# Altium PCB Liquid Tube.PcbDoc
Units mm, origin at the board's own origin, x right, y up, seen from the top; angles counter-clockwise.
Board outline 74 x 88 mm, 2 copper layers (Top Layer, Bottom Layer); 69 components, 49 nets, 177 pads, 39 vias.
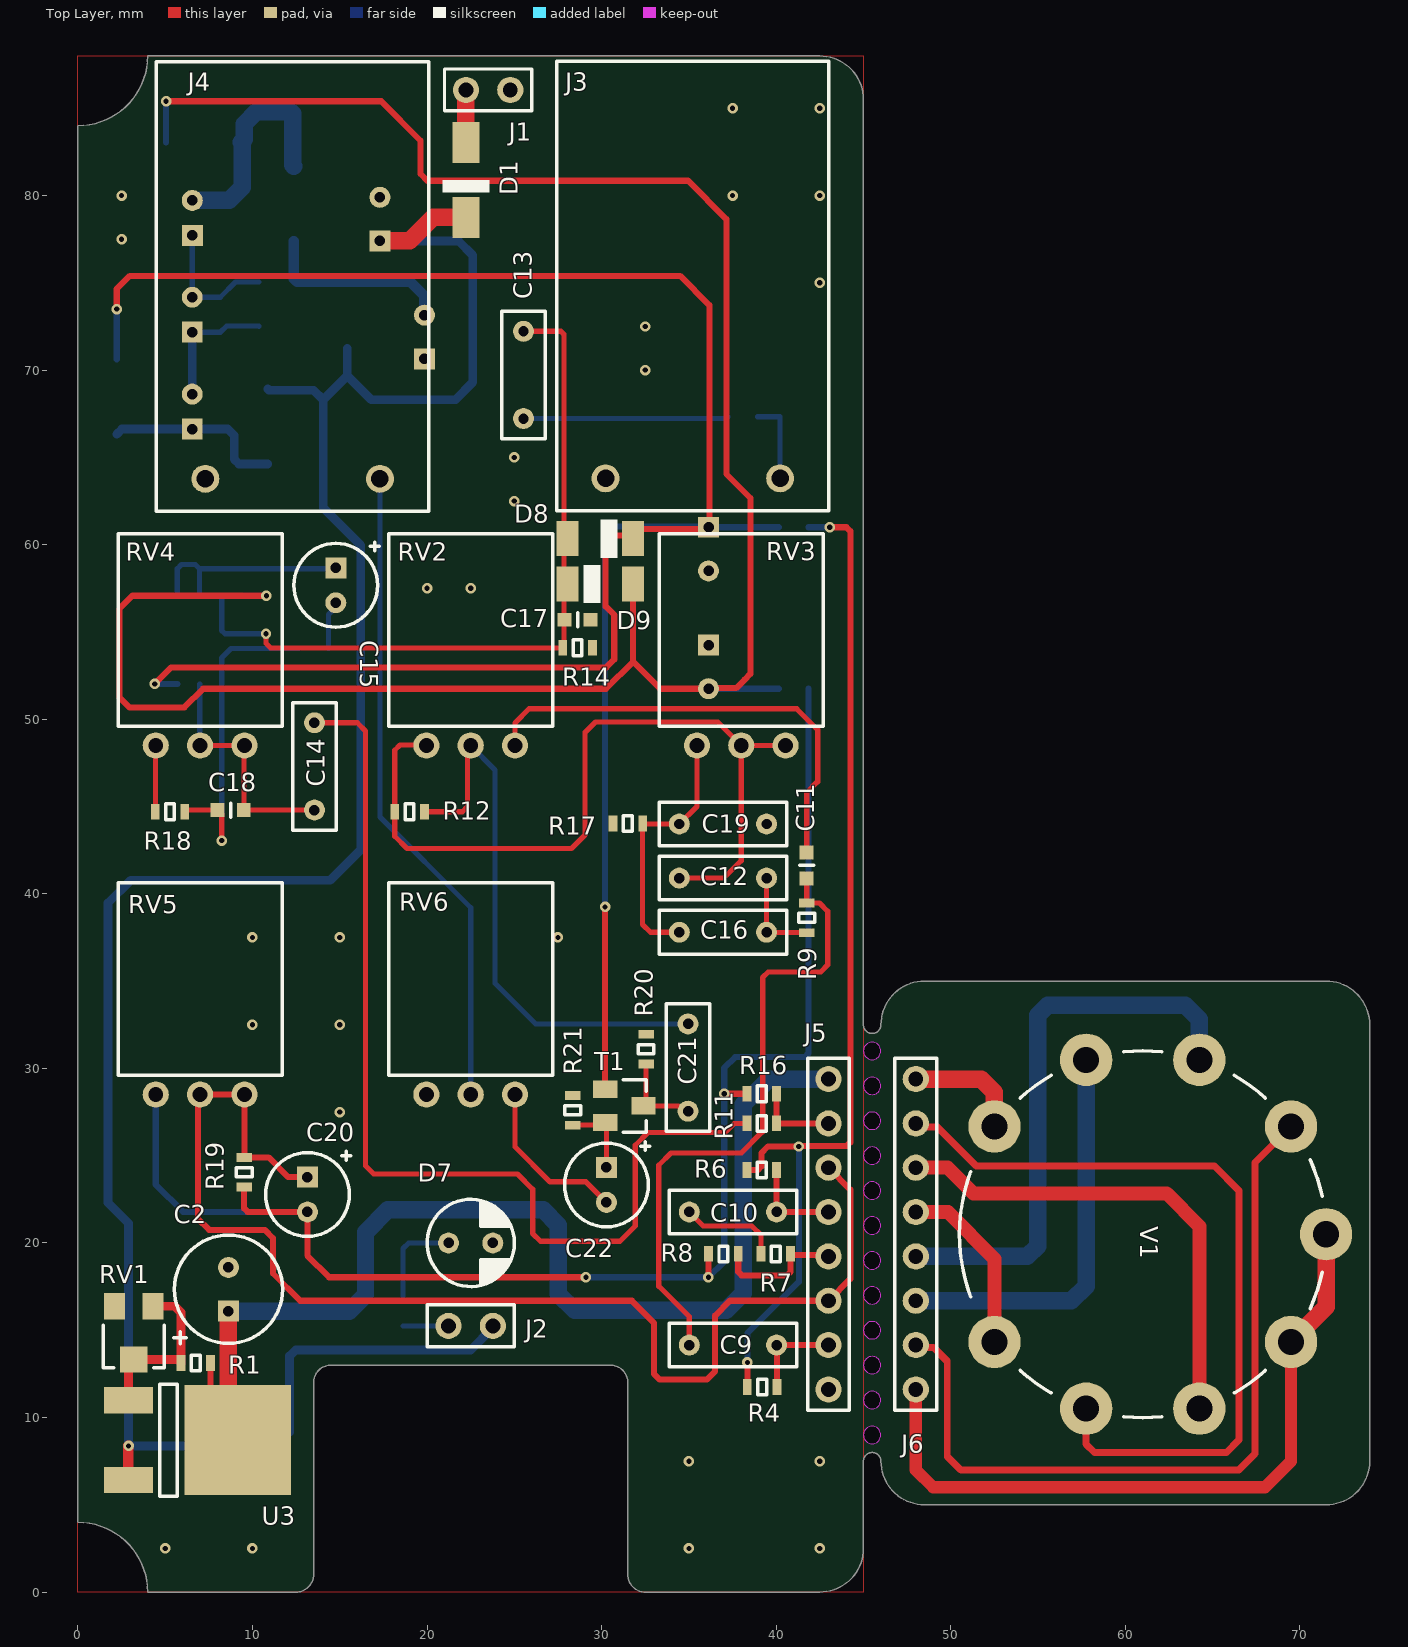
[diagram p0: Top Layer view]
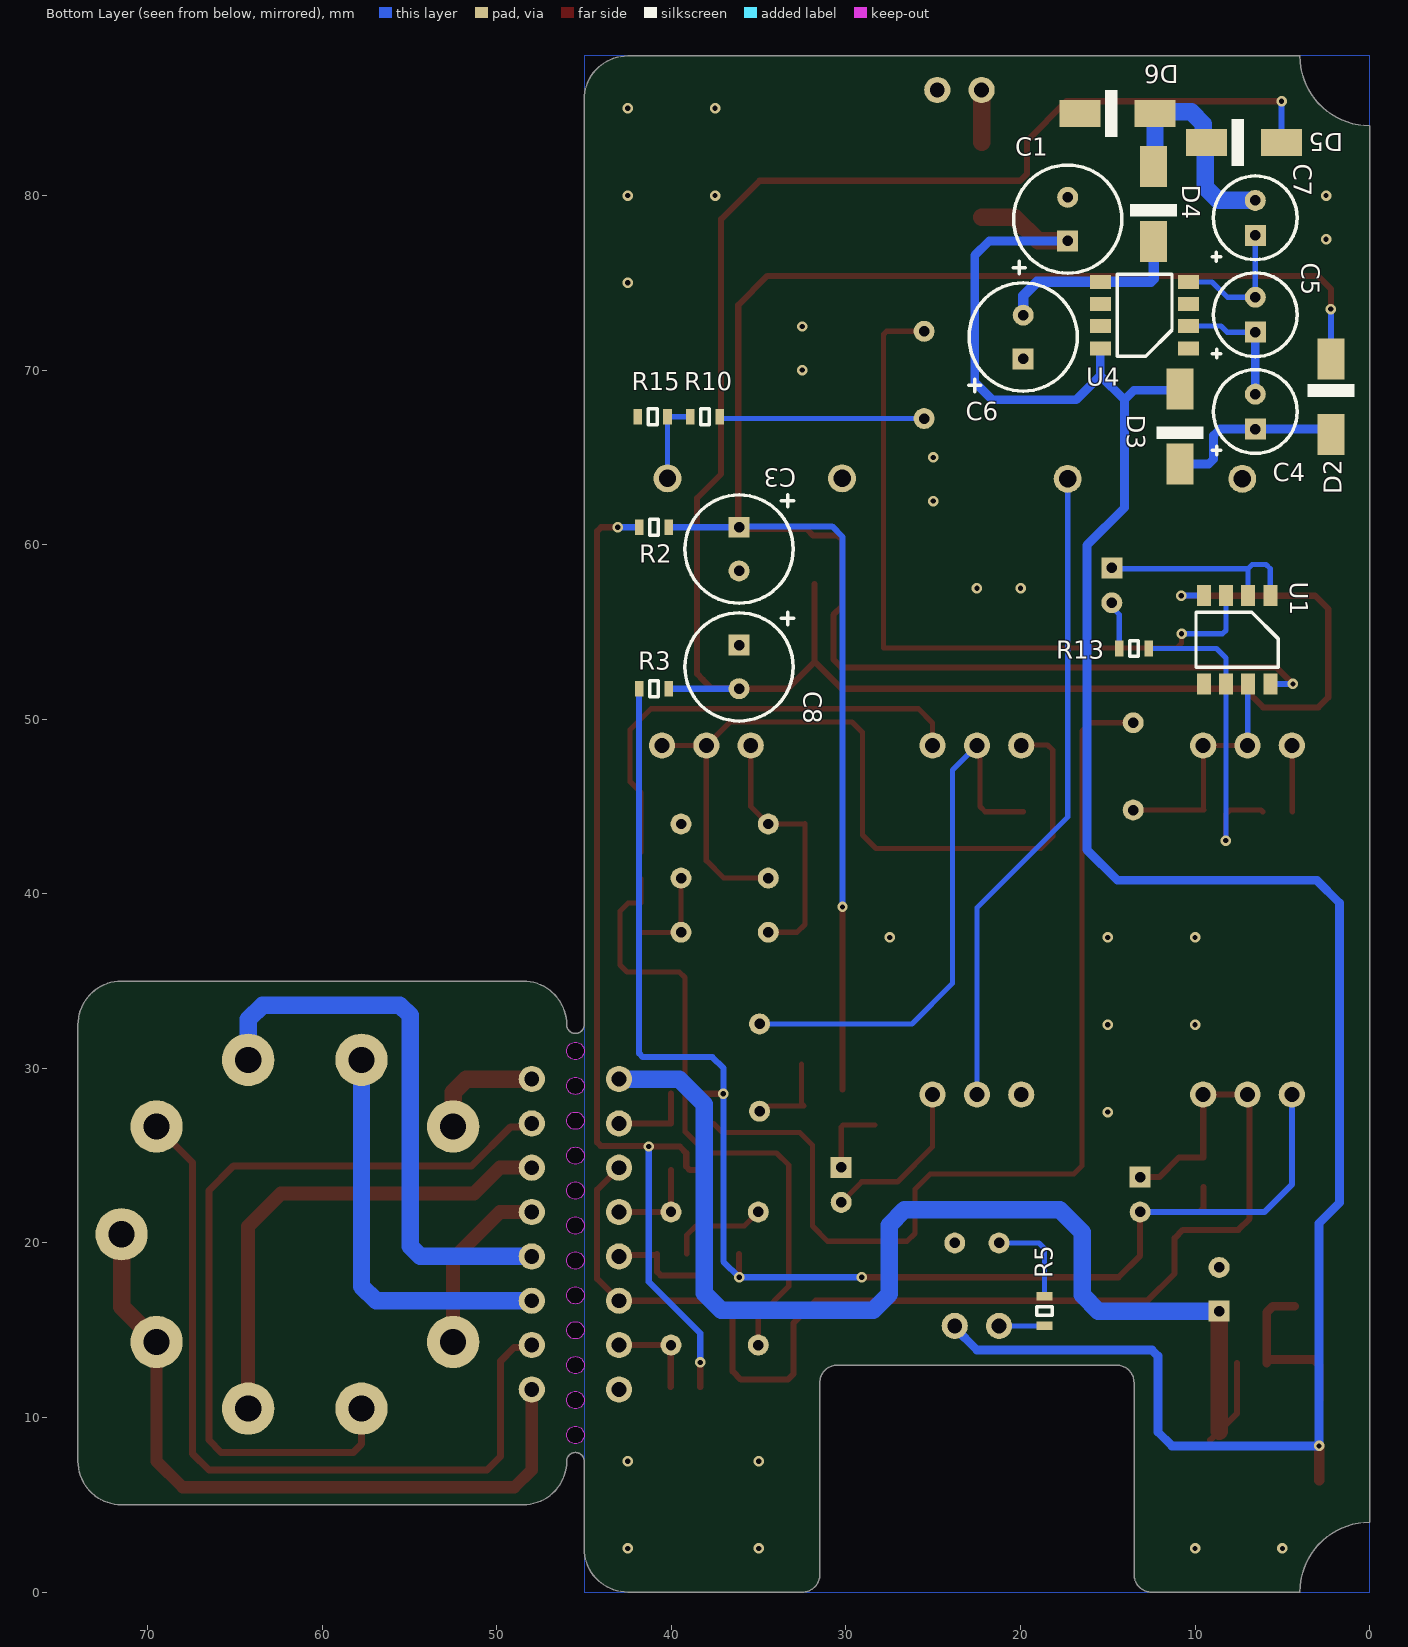
[diagram p1: Bottom Layer view, seen from below]

## Layer stack, top to bottom
Top Solder: solder mask 0.0102, Solder Resist, Dk 3.5
Top Layer: signal copper 0.0356
Dielectric 1: dielectric 0.32, FR-4, Dk 4.8
Bottom Layer: signal copper 0.0356
Bottom Solder: solder mask 0.0102, Solder Resist, Dk 3.5

## Board outline
4,0 12.5,0 ccw(c12.5,1) 13.5,1 13.5,12 cw(c14.5,12) 14.5,13 30.5,13 cw(c30.5,12) 31.5,12 31.5,1 ccw(c32.5,1) 32.5,0 42.5,0 ccw(c42.5,2.5) 45,2.5 45,7.5 cw(c45.5,7.5) 46,7.5 ccw(c48.5,7.5) 48.5,5 71.5,5 ccw(c71.5,7.5) 74,7.5 74,32.5 ccw(c71.5,32.5) 71.5,35 48.5,35 ccw(c48.5,32.5) 46,32.5 cw(c45.5,32.5) 45,32.5 45,85.5 ccw(c42.5,85.5) 42.5,88 4,88 cw(c0,88) 0,84 0,4 cw(c0,0)
cut-out: 45,9 ccw(c45.5,9) 45.5,8.5 ccw(c45.5,9) 46,9 ccw(c45.5,9) 45.5,9.5 ccw(c45.5,9)
cut-out: 45,11 ccw(c45.5,11) 45.5,10.5 ccw(c45.5,11) 46,11 ccw(c45.5,11) 45.5,11.5 ccw(c45.5,11)
cut-out: 45,17 ccw(c45.5,17) 45.5,16.5 ccw(c45.5,17) 46,17 ccw(c45.5,17) 45.5,17.5 ccw(c45.5,17)
cut-out: 45,15 ccw(c45.5,15) 45.5,14.5 ccw(c45.5,15) 46,15 ccw(c45.5,15) 45.5,15.5 ccw(c45.5,15)
cut-out: 45,13 ccw(c45.5,13) 45.5,12.5 ccw(c45.5,13) 46,13 ccw(c45.5,13) 45.5,13.5 ccw(c45.5,13)
cut-out: 45,19 ccw(c45.5,19) 45.5,18.5 ccw(c45.5,19) 46,19 ccw(c45.5,19) 45.5,19.5 ccw(c45.5,19)
cut-out: 45,21 ccw(c45.5,21) 45.5,20.5 ccw(c45.5,21) 46,21 ccw(c45.5,21) 45.5,21.5 ccw(c45.5,21)
cut-out: 45,23 ccw(c45.5,23) 45.5,22.5 ccw(c45.5,23) 46,23 ccw(c45.5,23) 45.5,23.5 ccw(c45.5,23)
cut-out: 45,25 ccw(c45.5,25) 45.5,24.5 ccw(c45.5,25) 46,25 ccw(c45.5,25) 45.5,25.5 ccw(c45.5,25)
cut-out: 45,27 ccw(c45.5,27) 45.5,26.5 ccw(c45.5,27) 46,27 ccw(c45.5,27) 45.5,27.5 ccw(c45.5,27)
cut-out: 45,29 ccw(c45.5,29) 45.5,28.5 ccw(c45.5,29) 46,29 ccw(c45.5,29) 45.5,29.5 ccw(c45.5,29)
cut-out: 45,31 ccw(c45.5,31) 45.5,30.5 ccw(c45.5,31) 46,31 ccw(c45.5,31) 45.5,31.5 ccw(c45.5,31)

## Design rules (kind name [scope] priority, off if disabled: settings)
BoardOutlineClearance [All] p1: gap=0.15 ignorepadtopadclearanceinfootprint=FALSE
Clearance [All] p1: gap=0.2 ignorepadtopadclearanceinfootprint=FALSE except(0.127: Arc-Arc Arc-Track Arc-Text Arc-Hole Track-Track Track-Text Track-Hole SMDPad-SMDPad SMDPad-THPad SMDPad-Via SMDPad-Text SMDPad-Hole THPad-Via THPad-Text THPad-Hole Via-Text Via-Hole Fill-Text Fill-Hole Poly-Text Poly-Hole Region-Text Region-Hole Text-Text Text-Hole; 0.254: Arc-Via Track-Via Via-Via; 0.33: Arc-THPad Track-THPad; 0.5: THPad-THPad)
Height [All] p1: minheight=0 maxheight=100 prefheight=30
HoleSize [All] p1: absolutevalues=TRUE maxlimit=6.3 minlimit=0.3 maxpercent=80.000 minpercent=20.000
HoleToHoleClearance [All] p1: gap=0.5 allowstackedmicrovias=TRUE
MinimumSolderMaskSliver [All] p1: minsoldermaskwidth=0.1
PolygonConnect [All] p1: connectstyle=Relief reliefconductorwidth=0.254 reliefentries=4 polygonreliefangle="90 Angle" airgapwidth=0.254
RoutingVias [All] p1: holewidth=0.3 width=0.6 viastyle="Through Hole" minholewidth=0.3 minwidth=0.6 maxholewidth=0.3 maxwidth=0.6
SilkToSilkClearance [All] p1: silktosilkclearance=0.1
SilkToSolderMaskClearance [IsPad] p1: minsilkscreentomaskgap=0.1 clearancetoexposedcopper=TRUE
SolderMaskExpansion [All] p1: expansion=0.102 istentingtop=FALSE
Width POWER [InNet('+V') or InNet('++V') or InNet('-V')   or InNet('--V') or InNet('GND') or InNet('HEAT') or InNet('HEAT_V')   or InNet('GRIDA')or InNet('GRIDA_V')or InNet('GRIDB')or InNet('GRIDB_V')or InNet('CATHODEA')or InNet('CATHODEA_V')or InNet('CATHODEB')or InNet('CATHODEB_V')or InNet('ANODEA')or InNet('ANODEA_V')or InNet('ANODEB')or InNet('ANODEB_V') or  InNet('GND_V')] p1: maxlimit=1 minlimit=0.35 preferedwidth=0.35
Width [All] p2: maxlimit=1 minlimit=0.127 preferedwidth=0.3
24 further rules are at their usual default settings.

## Components (designator, comment, footprint, x,y, rotation, side; value= is the part's Value field where it differs from the comment)
C1 "100u 25V" "CAPACITOR THT 6.3X11MM" 17.3,78.65 r90 bottom
C2 "220u 25V" "CAPACITOR THT 6.3X11MM" 8.625,17.35 r90 top
C3 "100u 25V" "CAPACITOR THT 6.3X11MM" 36.125,59.75 r270 bottom
C4 "10u 25V" "CAPACITOR THT 5X11MM" 6.55,67.625 r90 bottom
C5 "10u 25V" "CAPACITOR THT 5X11MM" 6.55,73.175 r90 bottom
C6 "100u 25V" "CAPACITOR THT 6.3X11MM" 19.85,71.9 r90 bottom
C7 "10u 25V" "CAPACITOR THT 5X11MM" 6.554,78.723 r90 bottom
C8 "100u 25V" "CAPACITOR THT 6.3X11MM" 36.125,53 r270 bottom
C9 "100n" "CAPACITOR 7.2X2.5MM LS=5MM MKT" 37.525,14.15 r180 top
C10 "47n" "CAPACITOR 7.2X2.5MM LS=5MM MKT" 37.525,21.775 r180 top
C11 "330p" "Capacitor 0603" 41.75,41.625 r90 top
C12 "100n" "CAPACITOR 7.2X2.5MM LS=5MM MKT" 36.95,40.9 r180 top
C13 "33n" "CAPACITOR 7.2X2.5MM LS=5MM MKT" 25.525,69.725 r90 top
C14 "10n" "CAPACITOR 7.2X2.5MM LS=5MM MKT" 13.55,47.3 r90 top
C15 "1u 25V" "CAPACITOR THT 5X11MM" 14.775,57.675 r270 top
C16 "47n" "CAPACITOR 7.2X2.5MM LS=5MM MKT" 36.95,37.8 r0 top
C17 "47p" "Capacitor 0603" 28.625,55.7 r180 top
C18 "120p" "Capacitor 0603" 8.75,44.8 r0 top
C19 "47n" "CAPACITOR 7.2X2.5MM LS=5MM MKT" 36.95,44 r180 top
C20 "22u 50V" "CAPACITOR THT 5X11MM" 13.15,22.775 r270 top
C21 "100n" "CAPACITOR 7.2X2.5MM LS=5MM MKT" 34.95,30.05 r270 top
C22 "1u 25V" "CAPACITOR THT 5X11MM" 30.275,23.325 r270 top
D1 "S1M-13-F" DO-214 22.225,80.9 r90 top
D2 "S1M-13-F" DO-214 2.225,68.475 r270 bottom
D3 "S1M-13-F" DO-214 10.875,66.775 r90 bottom
D4 "S1M-13-F" DO-214 12.375,79.525 r90 bottom
D5 "S1M-13-F" DO-214 7.2,83.05 r180 bottom
D6 "S1M-13-F" DO-214 14.45,84.7 r180 bottom
D7 "Diode LED 5mm" "LED 5MM THT" 22.5,20 r0 top locked
D8 "1N4148" SOD80 29.925,60.35 r0 top
D9 "1N4148" SOD80 29.925,57.75 r180 top
J1 "Mechanical Goldpin 1x2 THT 2.54mm" "GOLDPIN 1X2" 23.5,86.05 r0 top
J2 "Mechanical Goldpin 1x2 THT 2.54mm" "GOLDPIN 1X2" 22.5,15.25 r0 top locked
J3 "ACJM-MVS" "MECHANICAL JACK MONO ACJM-MVS" 35.225,87.8 r270 top locked
J4 "ACJM-MVS" "MECHANICAL JACK MONO ACJM-MVS" 12.3,87.775 r270 top locked
J5 "Mechanical Goldpin 1x8 THT 2.54mm" "GOLDPIN 1X8" 43,20.5 r270 top
J6 "Mechanical Goldpin 1x8 THT 2.54mm" "GOLDPIN 1X8" 48,20.5 r270 top
R1 "2.2k" "Resistor 0603" 6.75,13.125 r0 top
R2 "470R" "Resistor 0603" 41,61 r180 bottom
R3 "1k" "Resistor 0603" 41,51.75 r0 bottom
R4 "47k" "Resistor 0603" 39.2,11.75 r180 top
R5 "1k" "Resistor 0603" 18.625,16.1 r90 bottom
R6 "47k" "Resistor 0603" 39.175,24.175 r180 top
R7 "10k" "Resistor 0603" 39.975,19.375 r180 top
R8 "22k" "Resistor 0603" 36.975,19.375 r0 top
R9 "22k" "Resistor 0603" 41.75,38.625 r90 top
R10 "10k" "Resistor 0603" 38.075,67.325 r180 bottom
R11 "10k" "Resistor 0603" 39.175,26.85 r180 top
R12 "220k" "Resistor 0603" 19,44.7 r0 top
R13 "100k" "Resistor 0603" 13.5,54.05 r180 bottom
R14 "1M" "Resistor 0603" 28.625,54.1 r180 top
R15 "1M" "Resistor 0603" 41.075,67.325 r180 bottom
R16 "10k" "Resistor 0603" 39.175,28.55 r180 top
R17 "2.2k" "Resistor 0603" 31.5,44.025 r0 top
R18 "10k" "Resistor 0603" 5.275,44.7 r0 top
R19 "47k" "Resistor 0603" 9.525,24.05 r90 top
R20 "1M" "Resistor 0603" 32.55,31.1 r270 top
R21 "10k" "Resistor 0603" 28.35,27.6 r270 top
RV1 "1k" "POTENTIOMETER 1.2X3.8MM" 3.2,14.85 r180 top
RV2 "500k" "POTENTIOMETER 9X11MM ALPS-RK097 THT" 22.5,55 r90 top locked
RV3 "100k" "POTENTIOMETER 9X11MM ALPS-RK097 THT" 38,55 r90 top locked
RV4 "500k" "POTENTIOMETER 9X11MM ALPS-RK097 THT" 7,55 r90 top locked
RV5 "10k" "POTENTIOMETER 9X11MM ALPS-RK097 THT" 7,35 r90 top locked
RV6 "100k" "POTENTIOMETER 9X11MM ALPS-RK097 THT" 22.5,35 r90 top locked
T1 "MMBF4393" SOT23-3 31.3,27.85 r270 top
U1 "LM833" SO8 7.6,54.55 r0 bottom locked
U3 "LM1117" TO252 5.425,8.7 r270 top
U4 "LT1054CS8" SO8 12.9,73.15 r90 bottom
V1 "12AX7" "TUbe 9pin NOVAL" 61,20.5 r270 top

## Footprints (in the part's own frame and the unit in brackets; to place one, negate y for a bottom-side part, rotate by r counter-clockwise, add the part's x,y. Pads: shape width x height; smd on the part's side, far side on the other; paste and mask are expansions set on the pad)
"CAPACITOR 7.2X2.5MM LS=5MM MKT" [mm]
  round 1.2 hole 0.6: 1(-2.5,0) 2(2.5,0)
  silkscreen extent -3.65,-1.25 3.65,1.25, body extent -3.7,-1.3 3.7,1.31, height 6.6
"Capacitor 0603" [mm]
  rect 0.8x0.8 smd: 1(-0.75,0) 2(0.75,0)
  silkscreen extent 0,-0.4 0,0.4, body extent -0.8,-0.4 0.8,0.4, height 0.75
"CAPACITOR THT 5X11MM" [mm]
  rect 1.2x1.2 hole 0.6: 1(-1,0)
  round 1.2 hole 0.6: 2(1,0)
  silkscreen extent -2.47,-2.4 2.4,2.47, body extent -2.53,-2.53 2.53,2.53, height 14.53
"CAPACITOR THT 6.3X11MM" [mm]
  rect 1.2x1.2 hole 0.6: 1(-1.25,0)
  round 1.2 hole 0.6: 2(1.25,0)
  silkscreen extent -3.13,-3.1 3.1,3.13, body extent -3.18,-3.18 3.18,3.18, height 14.53
DO-214 [mm]
  rect 2.35x1.55 smd: 1(2.15,0) 2(-2.15,0)
  silkscreen extent -0.73,-1.35 0,1.35, body extent -2.6,-1.3 2.6,1.3, height 2.4
"GOLDPIN 1X2" [mm]
  round 1.5 hole 0.85: 1(-1.27,0) 2(1.27,0)
  silkscreen extent -2.5,-1.2 2.5,1.2, body extent -2.54,-1.27 2.54,1.27, height 5.94
"GOLDPIN 1X8" [mm]
  round 1.5 hole 0.85: 1(-8.89,0) 2(-6.35,0) 3(-3.81,0) 4(-1.27,0) 5(1.27,0) 6(3.81,0) 7(6.35,0) 8(8.89,0)
  silkscreen extent -10.07,-1.2 10.07,1.2, body extent -10.16,-1.27 10.16,1.27, height 5.94
"LED 5MM THT" [mm]
  round 1.2 hole 0.6: 1(-1.27,0) 2(1.27,0)
  silkscreen extent -2.5,-2.5 2.5,2.5, body extent -2.9,-2.9 2.9,2.9, height 28.5
"MECHANICAL JACK MONO ACJM-MVS" [mm]
  round 1.6 hole 1: 1(24,5) 2(24,-5)
  silkscreen extent 0.1,-7.8 25.85,7.8, body extent -21.15,-7.9 25.95,7.9, height 16.8
"POTENTIOMETER 1.2X3.8MM" [mm]
  rect 1.2x1.5 smd: 1(-1.1,-1.525) 3(1.1,-1.525)
  rect 1.6x1.5 smd: 2(0,1.525)
  silkscreen extent -1.75,-0.43 1.75,2, body extent -1.8,-1.91 1.8,2.05, height 1.13
"POTENTIOMETER 9X11MM ALPS-RK097 THT" [mm]
  round 1.5 hole 0.85: 1(-6.5,-2.54) 2(-6.5,0) 3(-6.5,2.54)
  silkscreen extent -5.4,-4.7 5.63,4.7, body extent -9.21,-4.74 5.67,4.76, height 46.92
"Resistor 0603" [mm]
  rect 0.5x0.9 smd: 1(-0.85,0) 2(0.85,0)
  silkscreen extent -0.25,-0.45 0.25,0.45, body extent -0.8,-0.4 0.8,0.4, height 0.43
SO8 [mm]
  rect 0.8x1.2 smd: 1(-1.905,-2.53) 2(-0.635,-2.53) 3(0.635,-2.53) 4(1.905,-2.53) 5(1.905,2.53) 6(0.635,2.53) 7(-0.635,2.53) 8(-1.905,2.53)
  silkscreen extent -2.35,-1.58 2.35,1.58, body extent -2.45,-2.89 2.45,2.89, height 1.45
SOD80 [mm]
  rect 1.25x2 smd: 1(-1.875,0) 2(1.875,0)
  silkscreen extent 0,-1.1 0.98,1.1, body extent -1.82,-0.8 1.88,0.8, height 1.58
SOT23-3 [mm]
  rect 1x1.4 smd: 1(-0.95,-1.1) 2(0.95,-1.1) 3(0,1.1)
  silkscreen extent -1.5,-0.05 1.5,1.25, body extent -1.5,-1.25 1.5,1.25, height 1.09
TO252 [mm]
  rect 1.5x2.8 smd: 1(-2.286,-2.53) 3(2.286,-2.53)
  rect 6.3x6.1 smd: 2(0,3.72)
  silkscreen extent -3.2,-0.72 3.2,0.28, body extent -3.27,-3.41 3.27,6.53, height 2.24
"TUbe 9pin NOVAL" [mm]
  round 3 hole 1.5: 1(6.172,-8.495) 2(9.986,-3.245) 3(9.986,3.245) 4(6.172,8.495) 5(0,10.5) 6(-6.172,8.495) 7(-9.986,3.245) 8(-9.986,-3.245) 9(-6.172,-8.495)
  silkscreen extent -10.5,-10.5 10.5,10.27, body extent -11,-11 11,11, height 62.4

## Part data
C1 C3 C6 C8: library part "Capacitor ALU THT 100u 25V"
C2: library part "Capacitor ALU THT 220u 25V"
C4 C5 C7: library part "Capacitor ALU THT 10u 25V"
C9 C12 C21: library part "Capacitor MKT 100n 100V"
C10 C16 C19: library part "Capacitor MKT 47n 100V"
C11: library part "Capacitor 0603 330p"
C13: library part "Capacitor MKT 33n 100V"
C14: library part "Capacitor MKT 10n 100V"
C15 C22: library part "Capacitor ALU THT 1u 25V"
C17: library part "Capacitor 0603 47p"
C18: library part "Capacitor 0603 120p"
C20: library part "Capacitor ALU THT 22u 50V"
D1 D2 D3 D4 D5 D6: library part "Diode 1KV 1A S1M-13-F"
D8 D9: library part "Diode SMD 1N4148 SOD80"
J3 J4: library part "Mechanical JACK Panel Mono Female Amphenol ACJM-MVS"
R1 R17: library part "Resistor 0603 2.2k"
R2: library part "Resistor 0603 470R"
R3 R5: library part "Resistor 0603 1k"
R4 R6 R19: library part "Resistor 0603 47k"
R7 R10 R11 R16 R18 R21: library part "Resistor 0603 10k"
R8 R9: library part "Resistor 0603 22k"
R12: library part "Resistor 0603 220k"
R13: library part "Resistor 0603 100k"
R14 R15 R20: library part "Resistor 0603 1Meg"
RV1: library part "Potentiometer SMD 1.2x3.8mm 1k"
RV2 RV4: library part "Potentiometer 9x11mm Panel 500k MONO LIN ALPS-RK097"
RV3 RV6: library part "Potentiometer 9x11mm Panel 100k MONO LIN ALPS-RK097"
RV5: library part "Potentiometer 9x11mm Panel 10k MONO LIN ALPS-RK097"
T1: library part "Transistor N-JFET SMD SOT23 MMBF4393"
U1: library part "IC OP-AMP LM833 SO8", ComponentLink1Description=Datasheet, ComponentLink1URL=https://pl.mouser.com/datasheet/2/389/cd00000474-1795554.pdf
U3: library part "IC LM1117 LDO TO252 ADJ"
U4: library part "IC 100mA Sw Cap SO8 LT1054CS8"
V1: library part "Tube 12AX7 / ECC83 9pin NOVAL"

## Via types
v1: diameter 0.6, hole 0.3, Top Layer to Bottom Layer, tented both sides, 25 vias
v2: diameter 0.6, hole 0.3, Top Layer to Bottom Layer, 14 vias

## Nets (pads, with @x,y where several pads share a name; then routed paths per layer and width w, separated by ;. In a path a pad name is that pad's centre, name@x,y a point inside that pad or via, vN(x,y) a via of type N, cw(c..) or ccw(c..) an arc to the next point about the centre after c; other vN are vias at no path point)
++V: R2.1 R4.2 R6.2 | length 59.5
  Top Layer w0.35: R6.2 38.945,24.175 39.15,24.38 39.15,25.15 39.525,25.525 v2(41.3,25.525) 41.34,25.565 44.05,25.565 44.255,25.77 44.255,60.77 44.025,61 v2(43.075,61) ; R4.2 v2@38.35,13.159
  Bottom Layer w0.35: v2(38.351,13.159) 38.351,14.826 41.3,17.775 v2(41.3,25.525) ; R2.1 v2(43.075,61)
+V: C3.1 D2.2 D8.2 R2.2 T1.1 U1.8 | length 134.9
  Top Layer w0.35: v2(2.225,73.5) 2.225,74.65 2.975,75.4 34.5,75.4 36.175,73.725 36.175,61.05 C3.1 ; v2(4.4,52.025) 5.35,52.975 30.275,52.975 30.725,53.425 30.725,55.975 30.225,56.475 30.225,60.275 30.475,60.525 31.875,60.525 32.25,60.9 C3.1@36.025,60.9 ; T1.1 v2(30.2,39.25)
  Bottom Layer w0.35: D2.2 v2(2.225,73.5) ; v2(4.4,52.025) 4.405,52.02 U1.8 ; v2(30.2,39.25) 30.2,60.45 30.8,61.05 36.075,61.05 C3.1 R2.2
--V: C20.2 R3.2 R8.1 R16.2 R19.1 RV5.3 | length 86.5
  Top Layer w0.35: R19.1 9.525,21.98 9.73,21.775 C20.2 13.15,19.275 14.39,18.035 v2(29.1,18.035) ; v2(36.121,18.03) 36.125,18.034 R8.1 ; v2(37.025,28.55) R16.2
  Bottom Layer w0.35: RV5.3 4.46,23.34 6.025,21.775 C20.2 ; v2(29.1,18.035) 36.117,18.035 v2(36.121,18.03) 37.025,18.934 v2(37.025,28.55) 37.025,30.025 37.65,30.65 41.645,30.65 41.85,30.855 R3.2
-V: C8.2 D5.1 D9.1 R3.1 U1.4 | length 127
  Top Layer w0.35: v2(5.05,85.4) 17.375,85.4 19.625,83.15 19.625,81.25 20.025,80.85 34.95,80.85 37.15,78.65 37.15,64.05 38.525,62.675 38.525,52.6 38.2,52.275 37.708,51.783 36.158,51.783 C8.2 33.35,51.75 31.8,53.3 ; v2(10.8,57.075) 3.125,57.075 2.375,56.325 2.375,51.25 2.95,50.675 6.1,50.675 7.175,51.75 30.25,51.75 31.8,53.3 ; D9.1 31.8,53.3
  Bottom Layer w0.35: D5.1 v2(5.05,85.4) ; U1.4 10.795,57.08 v2(10.8,57.075) ; C8.2 R3.1
ANODEA: C10.1 J5.4 R6.1 | length 5.4
  Top Layer w0.35: R6.1 C10.1 40.027,21.773 42.997,21.773 J5.4
ANODEA_V: J6.4 V1.1 | length 10.4
  Top Layer w0.8: J6.4 49.83,21.77 52.505,19.095 V1.1
ANODEB: C9.1 J5.7 R4.1 | length 5.4
  Top Layer w0.35: R4.1 40.037,11.763 40.037,14.138 C9.1 J5.7
ANODEB_V: J6.7 V1.6 | length 45.6
  Top Layer w0.4: J6.7 48.15,14 49.025,14 49.8,13.225 49.8,7.775 50.575,7 66.5,7 67.425,7.925 67.425,24.602 V1.6
CATHODEA: C20.1 J5.3 J5.6 R19.2 RV5.1 RV5.2 | length 72.6
  Top Layer w0.35: C20.1 12.05,23.775 10.925,24.9 R19.2 9.533,24.908 9.533,28.493 9.525,28.5 RV5.2 6.875,28.375 6.875,21.4 7.525,20.75 10.7,20.75 11.175,20.275 11.175,18.25 12.735,16.69 31.735,16.69 33,15.425 33,12.5 33.325,12.175 36.025,12.175 36.5,12.65 36.5,15.84 37.35,16.69 J5.6 44.255,17.945 44.255,23.055 J5.3
CATHODEA_V: J6.3 V1.3 | length 28.1
  Top Layer w0.8: J6.3 49.815,24.31 51.3,22.825 62.375,22.825 64.245,20.955 V1.3
CATHODEB_V: J6.6 V1.8 | length 23.1
  Bottom Layer w1: J6.6 56.915,16.69 57.755,17.53 V1.8
GND: C1.2 C2.2 C3.2 C6.1 C8.1 C17.1 C19.1 D6.2 D7.2 J1.2 J3.2 J4.2 J5.8 R14.1 R15.1 R17.1 R20.1 R21.1 RV1.3 RV6.3 U1.5 U4.3
  other v1: 5,2.5 10,2.5 35,2.5 42.5,2.5 35,7.5 42.5,7.5 15,27.5 10,32.5 15,32.5 10,37.5 15,37.5 27.5,37.5 20,57.5 22.5,57.5 25,62.5 25,65 32.5,70 32.5,72.5 42.5,75 2.5,77.5 2.5,80 37.5,80 42.5,80 37.5,85 42.5,85
GND_V: J6.8 V1.4 V1.5 | length 41
  Top Layer w0.7: J6.8 48,7 49,6 68,6 69.495,7.495 V1.4
  Top Layer w1: V1.4 71.5,16.334 V1.5
GRIDA: J5.2 R11.1 R16.1 | length 4.7
  Top Layer w0.35: R16.1 R11.1 J5.2
GRIDA_V: J6.2 V1.2 | length 45.7
  Top Layer w0.4: J6.2 48.22,26.63 49.231,26.63 51.461,24.4 65.1,24.4 66.5,23 66.5,8.705 65.795,8 58.225,8 57.755,8.47 V1.2
GRIDB: J5.5 R7.1 R8.2 | length 7.5
  Top Layer w0.35: R8.2 37.825,18.352 38.03,18.147 40.62,18.147 40.825,18.352 R7.1 40.898,19.303 42.927,19.303 J5.5
GRIDB_V: J6.5 V1.7 | length 32.6
  Bottom Layer w1: J6.5 54.389,19.23 54.975,19.816 54.975,33.039 55.561,33.625 63.425,33.625 64.245,32.805 V1.7
HEAT: C2.1 J5.1 R1.2 U3.2 | length 67.4
  Top Layer w0.35: R1.2 7.6,10.245 8.625,9.22 U3.2
  Top Layer w1: U3.2@8.625,9.22 C2.1
  Bottom Layer w1: C2.1 15.55,16.1 16.475,17.025 16.475,20.625 17.75,21.9 26.65,21.9 27.525,21.025 27.525,17.075 28.45,16.15 37.15,16.15 38.125,17.125 38.125,27.95 39.565,29.39 J5.1
HEAT_V: J6.1 V1.9 | length 6.8
  Top Layer w1: J6.1 51.76,29.39 52.505,28.645 V1.9
NetC4_1: C4.1 D2.1 D3.2 | length 10.4
  Bottom Layer w0.5: D2.1 2.525,66.625 8.575,66.625 8.95,66.25 8.95,64.9 9.225,64.625 D3.2
NetC4_2: C4.2 C5.1 U4.2 | length 7.5
  Bottom Layer w0.3: C5.1 8.175,72.175 8.525,72.525 10.36,72.525 U4.2
  Bottom Layer w0.5: C4.2 C5.1
NetC5_2: C5.2 C7.1 U4.4 | length 7.7
  Bottom Layer w0.3: C7.1 6.55,77.72 C5.2 8.15,74.175 9.03,75.055 U4.4
NetC6_2: C6.2 D4.2 U4.5 | length 11.1
  Bottom Layer w0.6: D4.2 12.375,75.231 12.551,75.055 U4.5 19.045,75.055 19.85,74.25 C6.2
NetC7_2: C7.2 D4.1 D5.2 D6.1 | length 13.1
  Bottom Layer w1: C7.2 8.673,79.723 9.425,80.475 9.425,82.975 D5.2 9.524,83.224 9.524,84.099 10.225,84.8 12.2,84.8 D6.1 12.3,81.75 D4.1
NetC9_2: C9.2 C11.1 R9.2 | length 36.5
  Top Layer w0.3: C9.2 35.025,15.775 33.275,17.525 33.275,24.45 33.975,25.15 38,25.15 39.225,26.375 39.225,35.2 39.55,35.525 42.55,35.525 42.95,35.925 42.95,39 42.475,39.475 R9.2 C11.1
NetC10_2: C10.2 R7.2 | length 5.7
  Top Layer w0.3: C10.2 35.825,20.975 38.6,20.975 39.125,20.45 R7.2
NetC11_2: C11.2 RV2.1 | length 26.7
  Top Layer w0.3: RV2.1 25.04,49.79 25.85,50.6 41.174,50.6 42.375,49.399 42.375,46.425 41.75,45.8 C11.2
NetC12_1: C12.1 C16.2 R9.1 | length 5.4
  Top Layer w0.3: C12.1 C16.2 39.462,37.788 41.737,37.788 R9.1
NetC12_2: C12.2 R12.1 RV2.3 RV3.1 RV3.2 | length 47.1
  Top Layer w0.3: RV2.3 19.935,48.525 18.45,48.525 18.15,48.225 R12.1 18.15,43.3 18.85,42.6 28.275,42.6 29.05,43.375 29.05,49.25 29.65,49.85 36.65,49.85 RV3.2 ; C12.2 37,40.9 38,41.9 RV3.2 ; RV3.1 RV3.2
NetC13_1: C13.1 R10.2 | length 11.7
  Bottom Layer w0.3: C13.1 37.125,67.225 R10.2
NetC13_2: C13.2 C17.2 D8.1 D9.2 R14.2 U1.3 | length 42.7
  Top Layer w0.3: v2(10.775,54.9) 10.775,54.35 11.05,54.075 27.85,54.075 27.85,55.65 27.85,57.75 27.85,60.2 27.85,72.049 27.674,72.225 C13.2
  Bottom Layer w0.3: U1.3 8.235,55.09 8.425,54.9 v2(10.775,54.9)
NetC14_1: C14.1 C18.2 RV4.1 RV4.2 U1.7 | length 13.8
  Top Layer w0.3: RV4.2 9.5,48.5 9.52,48.48 9.52,44.82 C18.2 C14.1
  Bottom Layer w0.3: U1.7 6.983,52.002 6.983,48.518 RV4.2
NetC14_2: C14.2 R11.2 | length 58.6
  Top Layer w0.3: C14.2 16,49.8 16.475,49.325 16.475,24.425 16.95,23.95 25.175,23.95 26.05,23.075 26.05,20.55 26.5,20.1 31.05,20.1 31.925,20.975 31.925,25.6 32.65,26.325 37.075,26.325 37.6,26.85 R11.2
NetC15_1: C15.1 U1.1 U1.2 | length 12.6
  Bottom Layer w0.3: U1.1 5.695,58.618 5.936,58.859 6.724,58.859 6.965,58.618 ; U1.2 6.965,58.618 ; C15.1@14.591,58.859 C15.1 14.718,58.618 6.965,58.618
NetC15_2: C15.2 R13.1 | length 2.8
  Bottom Layer w0.3: R13.1 14.35,56.006 14.775,56.431 C15.2
NetC16_1: C16.1 C19.2 R17.2 RV3.3 | length 15.1
  Top Layer w0.3: C16.1 32.8,37.8 32.35,38.25 R17.2 32.375,44 C19.2 35.46,45.01 RV3.3
NetC18_1: C18.1 R13.2 R18.2 U1.6 | length 18.9
  Top Layer w0.3: R18.2 6.225,44.8 C18.1 8.24,44.56 v2(8.24,43.052)
  Bottom Layer w0.3: v2(8.24,43.052) 8.235,43.057 U1.6 8.235,53.51 8.775,54.05 R13.2
NetC21_1: C21.1 R12.2 RV2.2 | length 32.4
  Top Layer w0.3: R12.2 22.025,44.7 22.325,45 22.325,48.325 RV2.2
  Bottom Layer w0.3: RV2.2 23.9,47.1 23.9,34.875 26.225,32.55 C21.1
NetC21_2: C21.2 R20.2 T1.3 | length 5.1
  Top Layer w0.3: R20.2 32.55,28 T1.3 34.406,27.85 34.706,27.55 C21.2
NetC22_1: C22.1 R21.2 T1.2 | length 4.3
  Top Layer w0.3: R21.2 30.175,26.75 30.275,26.65 C22.1
NetC22_2: C22.2 RV6.1 | length 9.5
  Top Layer w0.3: RV6.1 25.04,25.51 27.05,23.5 29.1,23.5 C22.2
NetD1_1: D1.1 J1.1 | length 3
  Top Layer w1: D1.1 22.23,83.055 J1.1
NetD7_1: D7.1 R5.2 | length 5.5
  Bottom Layer w0.3: R5.2 18.625,19.675 18.95,20 D7.1
NetJ2_1: J2.1 R5.1 | length 2.6
  Bottom Layer w0.3: R5.1 J2.1
NetJ3_1: J3.1 R10.1 R15.2 | length 4.8
  Bottom Layer w0.3: R10.1 R15.2 J3.1
NetJ4_1: J4.1 RV6.2 | length 37.4
  Bottom Layer w0.3: J4.1 17.3,44.4 22.5,39.2 RV6.2
NetR1_1: R1.1 RV1.1 RV1.2 U3.1 | length 9.9
  Top Layer w0.5: U3.1 2.895,13.02 RV1.2 5.8,13.325 R1.1@5.9,13.225 ; RV1.1 5.55,16.375 5.9,16.025 R1.1@5.9,13.225 ; R1.1 R1.1@5.9,13.225
NetR18_1: R18.1 RV4.3 | length 3.8
  Top Layer w0.3: R18.1 4.443,44.718 4.443,48.482 RV4.3
Vin: C1.1 D1.2 D3.1 J2.2 U3.3 U4.8 | length 135.8
  Top Layer w0.3: v2@2.895,8.37 v2(2.9,8.375)
  Top Layer w0.6: U3.3 v2@2.895,8.37
  Top Layer w1: C1.1 19,77.4 20.35,78.75 D1.2
  Bottom Layer w0.5: D3.1 10.95,68.85 13.5,68.85 14.05,68.3 ; U4.8 15.43,69.68 ; C1.1 21.8,77.4 22.625,76.575 22.625,69.3 21.625,68.3 16.81,68.3 15.43,69.68 ; J2.2 23.77,15.14 22.5,13.87 12.476,13.87 12.125,13.519 12.125,9.175 11.325,8.375 v2(2.9,8.375) 2.9,21.125 1.725,22.3 1.725,39.475 3.025,40.775 14.45,40.775 16.2,42.525 16.2,59.975 14.05,62.125 14.05,68.3 ; 14.05,68.3 15.43,69.68
pads on no net: U4.1 U4.6 U4.7

## Polygon pours and split planes (outlines as drawn)
GND on Top Layer "NONET_L01_P000" (solid, shelved, pour order 0): 0,0 0,88 45,88 45,0
GND on Bottom Layer "NONET_L02_P001" (solid, shelved, pour order 1): 0,0 0,88 45,88 45,0

## Silkscreen, mask and mechanical layers (free items; w line width, h text height)
Dimensions:
  circle w0.1: c45.5,13 r0.5
  circle w0.1: c45.5,11 r0.5
  circle w0.1: c45.5,9 r0.5
  circle w0.1: c45.5,19 r0.5
  circle w0.1: c45.5,17 r0.5
  circle w0.1: c45.5,15 r0.5
  circle w0.1: c45.5,21 r0.5
  circle w0.1: c45.5,23 r0.5
  circle w0.1: c45.5,25 r0.5
  circle w0.1: c45.5,27 r0.5
  circle w0.1: c45.5,29 r0.5
  circle w0.1: c45.5,31 r0.5
  pour cut-out: 45,29 ccw(c45.5,29) 45.5,28.5 ccw(c45.5,29) 46,29 ccw(c45.5,29) 45.5,29.5 ccw(c45.5,29)
  pour cut-out: 45,31 ccw(c45.5,31) 45.5,30.5 ccw(c45.5,31) 46,31 ccw(c45.5,31) 45.5,31.5 ccw(c45.5,31)
  lines w0.1: 0,4 cw(c0,0) 4,0 12.5,0 ccw(c12.5,1) 13.5,1 13.5,12 cw(c14.5,12) 14.5,13 22.5,13 30.5,13 cw(c30.5,12) 31.5,12 31.5,1 ccw(c32.5,1) 32.5,0 42.5,0 ccw(c42.5,2.5) 45,2.5 45,7.5 cw(c45.5,7.5) 46,7.5 ccw(c48.5,7.5) 48.5,5 71.5,5 ccw(c71.5,7.5) 74,7.5 74,32.5 ccw(c71.5,32.5) 71.5,35 48.5,35 ccw(c48.5,32.5) 46,32.5 cw(c45.5,32.5) 45,32.5 45,85.5 ccw(c42.5,85.5) 42.5,88 4,88 cw(c0,88) 0,84 0,4